# Altium PCB usb_keyboard.PcbDoc (part 2 of 2)
Units mm, origin at the board's own origin, x right, y up, seen from the top; angles counter-clockwise.
Board outline 347.73 x 123.82 mm, 2 copper layers (Top Layer, Bottom Layer), stack 1.579 mm thick; 145 components, 121 nets, 652 pads, 195 vias.
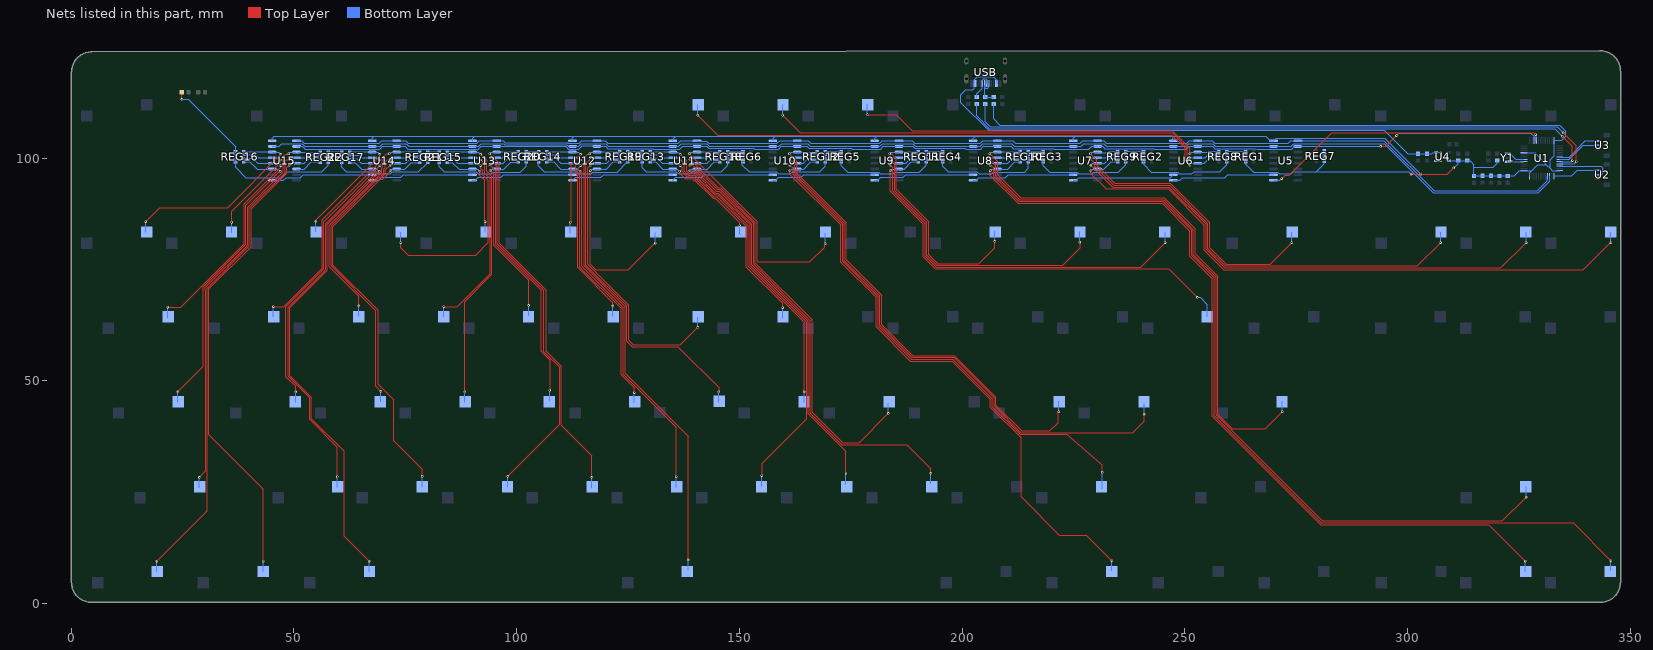
[diagram p2: the nets of this part, all layers, seen from the top]

## Via types
v1: diameter 0.559, hole 0.254, Top Layer to Bottom Layer, tented both sides, 195 vias

## Nets (pads, with @x,y where several pads share a name; then routed paths per layer and width w, separated by ;. In a path a pad name is that pad's centre, name@x,y a point inside that pad or via, vN(x,y) a via of type N, cw(c..) or ccw(c..) an arc to the next point about the centre after c; other vN are vias at no path point) (continued)
NetREG8_6: F5.2 REG8.6 U6.5 | length 125.9
  Top Layer w0.254: v1(140.684,109.605) 145.129,105.16 247.104,105.16 250.107,102.156 250.107,99.495 v1(251.174,98.429)
  Bottom Layer w0.254: v1(140.684,109.605) F5.2@140.684,111.946 ; v1(251.174,98.429) 251.555,98.81 U6.5@252.796,98.81 ; U6.5@252.923,98.81 254.349,98.81 255.473,99.934 REG8.6@257.596,99.934
NetREG8_7: F6.2 REG8.7 U6.4 | length 105.8
  Top Layer w0.254: v1(159.734,109.605) 163.671,105.668 247.17,105.668 250.615,102.223 250.615,100.257 v1(251.174,99.699)
  Bottom Layer w0.254: v1(159.734,109.605) F6.2@159.734,111.946 ; v1(251.174,99.699) 251.555,100.08 U6.4@252.796,100.08 ; U6.4@252.923,100.08 254.603,100.08 255.257,100.734 REG8.7@257.596,100.734
NetREG8_8: F7.2 REG8.8 U6.3 | length 85.6
  Top Layer w0.254: v1(178.784,109.732) 185.242,109.732 188.798,106.176 247.237,106.176 251.174,102.239 v1(251.174,100.969)
  Bottom Layer w0.254: v1(178.784,109.732) F7.2@178.784,112.073 ; v1@251.175,100.969 251.556,101.35 U6.3@252.669,101.35 ; U6.3@252.989,101.283 U6.3@252.923,101.35 255.238,101.35 255.422,101.534 REG8.8@257.596,101.534
NetREG9_5: PgUp.2 REG9.5 U7.6 | length 141.3
  Top Layer w0.254: v1(228.949,97.159) 228.949,96.524 232.373,93.1 246.255,93.1 254.4,84.955 254.4,79.367 258.782,74.984 339.49,74.984 345.477,80.971 345.521,80.971 345.662,81.112 v1@345.662,81.157
  Bottom Layer w0.254: v1(228.949,97.159) 229.33,97.54 U7.6@230.444,97.54 231.87,97.54 233.464,99.134 REG9.5@234.945,99.134 ; v1(345.662,81.03) PgUp.2@345.662,83.371
NetREG9_6: Home.2 REG9.6 U7.5 | length 121.8
  Top Layer w0.254: v1(228.949,98.429) 233.872,93.506 246.423,93.506 254.806,85.123 254.806,79.535 258.95,75.391 320.973,75.391 v1(326.612,81.03)
  Bottom Layer w0.254: v1(228.949,98.429) 229.33,98.81 U7.5@230.444,98.81 231.997,98.81 233.121,99.934 REG9.6@234.945,99.934 ; v1(326.612,81.03) Home.2@326.612,83.371
NetREG9_7: Ins.2 REG9.7 U7.4 | length 103
  Top Layer w0.254: v1(228.949,99.699) 229.813,98.835 229.813,98.2 234.1,93.912 246.592,93.912 255.213,85.291 255.213,79.703 259.119,75.797 302.203,75.797 v1(307.435,81.03)
  Bottom Layer w0.254: v1(228.949,99.699) 229.33,100.08 U7.4@230.444,100.08 232.251,100.08 232.905,100.734 REG9.7@234.945,100.734 ; v1(307.435,81.03) Ins.2@307.435,83.371
NetREG9_8: Backspace.2 REG9.8 U7.3 | length 70.4
  Top Layer w0.254: v1(228.822,100.969) 230.219,99.572 230.219,98.429 234.329,94.319 246.76,94.319 255.619,85.46 255.619,79.872 259.287,76.204 269.208,76.204 v1(274.034,81.03)
  Bottom Layer w0.254: v1(228.822,100.969) 229.203,101.35 230.346,101.35 U7.3@230.444,101.35 230.346,101.252 230.346,101.223 232.728,101.223 233.039,101.534 REG9.8@234.945,101.534 ; v1(274.034,81.03) Backspace.2@274.034,83.371
NetREG10_5: REG10.5 U8.6 ↓.2 | length 188.4
  Top Layer w0.254: v1(206.343,97.159) 206.343,96.076 212.571,89.848 244.908,89.848 251.149,83.608 251.149,78.02 256.229,72.94 256.229,41.993 280.489,17.733 318.281,17.733 v1(326.485,9.529)
  Bottom Layer w0.254: v1(206.343,97.159) 206.724,97.54 U8.6@207.965,97.54 210.28,97.54 211.874,99.134 REG10.5@213.074,99.134 ; ↓.2@326.485,7.187 v1(326.485,9.529)
NetREG10_6: REG10.6 U8.5 →.2 | length 208.3
  Top Layer w0.254: v1(206.343,98.429) 206.47,98.429 207.105,97.794 207.105,95.889 212.739,90.255 245.077,90.255 251.555,83.776 251.555,78.188 256.635,73.108 256.635,42.161 280.657,18.139 337.178,18.139 v1(345.662,9.656)
  Bottom Layer w0.254: v1(206.343,98.429) 206.724,98.81 U8.5@207.965,98.81 210.305,98.81 211.429,99.934 REG10.6@213.074,99.934 ; →.2@345.662,7.314 v1(345.662,9.656)
NetREG10_7: REG10.7 U8.4 ↑.2 | length 188.4
  Top Layer w0.254: v1(206.343,99.699) 207.588,98.454 207.588,96.041 212.968,90.661 245.245,90.661 251.961,83.945 251.961,78.357 257.041,73.277 257.041,42.33 280.825,18.546 321.278,18.546 v1(326.612,23.88)
  Bottom Layer w0.254: v1(206.343,99.699) 206.724,100.08 U8.4@207.965,100.08 210.54,100.08 211.194,100.734 REG10.7@213.074,100.734 ; v1(326.612,23.88) ↑.2@326.612,26.221
NetREG10_8: Enter.2 REG10.8 U8.3 | length 125.2
  Top Layer w0.254: v1(206.216,100.969) 207.994,99.191 207.994,96.27 213.196,91.068 245.413,91.068 252.368,84.113 252.368,78.525 257.448,73.445 257.448,42.498 260.699,39.247 268.065,39.247 v1(271.875,43.057)
  Bottom Layer w0.254: v1(206.216,100.969) 206.597,101.35 U8.3@207.838,101.35 ; U8.3@207.965,101.35 208.031,101.416 212.957,101.416 REG10.8@213.074,101.534 ; v1(271.875,43.057) Enter.2@271.875,45.398
NetREG11_5: ]}.2 REG11.5 U9.6 | length 100.5
  Top Layer w0.254: v1(183.864,97.159) 183.864,92.561 191.306,85.119 191.306,77.832 194.027,75.111 246.424,75.111 v1(252.825,68.711)
  Bottom Layer w0.254: v1(183.864,97.159) 184.245,97.54 U9.6@185.867,97.54 187.039,97.54 188.633,99.134 REG11.5@190.203,99.134 ; v1(252.825,68.711) 253.46,68.711 255.073,67.098 ]}.2@255.073,64.36
NetREG11_6: =+.2 REG11.6 U9.5 | length 90.2
  Top Layer w0.254: v1(183.864,98.429) 184.448,97.844 184.448,92.552 191.713,85.287 191.713,78.001 194.195,75.518 240.074,75.518 v1(245.586,81.03)
  Bottom Layer w0.254: v1(183.864,98.429) 184.245,98.81 U9.5@185.867,98.81 187.42,98.81 188.512,99.902 190.171,99.902 REG11.6@190.203,99.934 ; v1(245.586,81.03) =+.2@245.586,83.371
NetREG11_7: -_.2 REG11.7 U9.4 | length 72.1
  Top Layer w0.254: v1(183.864,99.699) 184.855,98.708 184.855,92.72 192.119,85.456 192.119,78.169 194.364,75.924 222.574,75.924 226.536,79.887 v1@226.536,81.284
  Bottom Layer w0.254: v1(183.864,99.699) 184.245,100.08 U9.4@185.486,100.08 ; U9.4@185.867,100.08 187.801,100.08 188.455,100.734 REG11.7@190.203,100.734 ; v1(226.409,81.157) -_.2@226.409,83.498
NetREG11_8: 0).2 REG11.8 U9.3 | length 53.9
  Top Layer w0.254: v1(183.737,100.969) 184.118,100.969 185.261,99.826 185.261,92.993 192.525,85.729 192.525,78.337 194.532,76.331 203.803,76.331 207.359,79.887 v1(207.359,81.284)
  Bottom Layer w0.254: v1(183.737,100.969) 184.118,101.35 U9.3@185.359,101.35 ; U9.3@185.486,101.35 U9.3@185.867,101.35 185.933,101.416 190.086,101.416 REG11.8@190.203,101.534 ; v1(207.359,81.284) 0).2@207.359,83.625
NetREG12_5: REG12.5 U10.6 Win.2@233.61,7.21 | length 135.7
  Top Layer w0.254: v1(161.385,97.159) 161.385,96.41 172.79,85.005 172.79,76.664 180.74,68.714 180.74,62.11 188.414,54.436 197.793,54.436 206.394,45.835 206.394,44.057 213.252,37.199 213.252,23.956 221.837,15.371 227.933,15.371 v1(233.648,9.656)
  Bottom Layer w0.254: v1(161.385,97.159) 161.766,97.54 U10.6@163.007,97.54 164.433,97.54 166.027,99.134 REG12.5@167.459,99.134 ; Win.2@233.648,7.314 v1(233.648,9.656)
NetREG12_6: /?.2 REG12.6 U10.5 | length 119.6
  Top Layer w0.254: v1(161.385,98.429) 162.096,97.717 162.096,96.273 173.196,85.173 173.196,76.832 181.146,68.882 181.146,62.278 188.582,54.842 197.961,54.842 206.8,46.003 206.8,44.225 213.049,37.977 223.505,37.977 231.146,31.345 231.489,31.001 v1(231.489,29.468)
  Bottom Layer w0.254: v1(161.385,98.429) 161.766,98.81 U10.5@163.007,98.81 ; U10.5@163.69,98.81 164.306,98.81 165.43,99.934 REG12.6@167.459,99.934 ; /?.2@231.362,25.856 231.489,25.983 v1(231.489,29.468)
NetREG12_7: "'\".2" REG12.7 U10.4 | length 127.5
  Top Layer w0.254: v1(161.385,99.699) 162.503,98.581 162.503,96.442 173.602,85.342 173.602,77.001 181.553,69.05 181.553,62.446 188.75,55.249 198.129,55.249 207.207,46.171 207.207,44.394 213.217,38.383 223.673,38.383 223.732,38.332 238.322,38.332 240.887,40.898 v1(240.887,42.549)
  Bottom Layer w0.254: v1(161.385,99.699) 161.766,100.08 U10.4@163.007,100.08 164.56,100.08 165.214,100.734 REG12.7@167.459,100.734 ; v1(240.887,42.549) 240.887,44.89
NetREG12_8: ;:.2 REG12.8 U10.3 | length 109.1
  Top Layer w0.254: v1(161.258,100.969) 162.909,99.318 162.909,96.61 174.009,85.51 174.009,77.169 181.959,69.219 181.959,62.615 188.919,55.655 198.298,55.655 207.613,46.34 207.613,44.562 213.385,38.789 219.729,38.789 221.583,40.644 v1@221.583,42.93
  Bottom Layer w0.254: v1(161.258,100.969) 161.639,101.35 U10.3@162.88,101.35 ; U10.3@163.007,101.35 167.186,101.35 167.227,101.391 REG12.8@167.227,101.604 ; v1(221.71,43.057) 221.71,45.398
NetREG13_5: N.2 REG13.5 U11.14 | length 98.8
  Top Layer w0.254: v1(136.747,100.842) 138.207,99.381 138.207,97.067 138.675,96.6 140.214,96.6 144.659,92.155 145.294,92.155 152.419,85.03 152.419,75.886 165.119,63.186 165.119,41.456 155.162,31.5 155.162,28.706 v1@155.035,28.579
  Bottom Layer w0.254: REG13.5@130.027,101.534 130.145,101.416 134.521,101.416 134.588,101.35 U11.14@135.056,101.35 136.239,101.35 v1(136.747,100.842) ; N.2@155.035,26.364 v1(155.035,28.706)
NetREG13_6: J.2 REG13.6 U11.13 | length 74.4
  Top Layer w0.254: v1(136.747,99.572) 137.636,98.683 137.636,97.064 138.506,96.193 140.046,96.193 144.491,91.748 145.126,91.748 152.012,84.862 152.012,75.718 164.56,63.17 v1(164.56,47.502)
  Bottom Layer w0.254: REG13.6@130.027,100.734 131.867,100.734 132.521,100.08 U11.13@135.056,100.08 136.239,100.08 v1(136.747,99.572) ; J.2@164.56,45.16 v1(164.56,47.502)
NetREG13_7: REG13.7 U11.12 U.2 | length 52.4
  Top Layer w0.254: v1(136.747,98.302) 137.23,97.819 137.23,96.895 138.338,95.787 139.836,95.787 144.281,91.342 144.957,91.342 151.606,84.693 151.606,75.549 159.734,67.421 v1(159.734,66.425)
  Bottom Layer w0.254: REG13.7@130.027,99.934 131.632,99.934 132.756,98.81 U11.12@135.056,98.81 136.239,98.81 v1(136.747,98.302) ; U.2@159.734,64.083 v1(159.734,66.425)
NetREG13_8: 7&.2 REG13.8 U11.11 | length 28.6
  Top Layer w0.254: v1(136.62,97.032) 136.678,96.973 136.678,96.614 137.912,95.381 139.668,95.381 144.113,90.936 144.655,90.936 150.082,85.508 150.082,84.967 v1(150.082,84.84)
  Bottom Layer w0.254: REG13.8@130.027,99.134 131.216,99.134 132.81,97.54 U11.11@135.056,97.54 136.112,97.54 v1(136.62,97.032) ; v1(150.082,84.84) 150.082,83.006 7&.2@150.209,82.879
NetREG14_5: 5%.2 REG14.5 U12.14 | length 26.2
  Top Layer w0.254: v1@112.109,85.729 112.154,85.729 112.167,85.742 112.167,85.787 112.236,85.856 112.236,98.683 v1(114.395,100.842)
  Bottom Layer w0.254: REG14.5@106.786,101.534 106.903,101.416 112.511,101.416 U12.14@112.577,101.35 ; 5%.2@112.109,83.26 v1(112.109,85.602) ; U12.14@112.704,101.35 113.887,101.35 v1(114.395,100.842)
NetREG14_6: REG14.6 T.2 U12.13 | length 47.1
  Top Layer w0.254: v1(114.395,99.572) 113.303,98.479 113.303,96.632 113.76,96.175 113.76,75.442 121.634,67.568 v1(121.634,66.806) v1@121.634,66.679
  Bottom Layer w0.254: REG14.6@106.786,100.734 109.007,100.734 109.661,100.08 U12.13@112.577,100.08 ; U12.13@112.704,100.08 113.887,100.08 v1(114.395,99.572) ; T.2@121.634,64.464 v1(121.634,66.806)
NetREG14_7: G.2 REG14.7 U12.12 | length 67
  Top Layer w0.254: v1(114.395,98.302) 113.709,97.616 113.709,96.8 114.243,96.267 114.243,75.534 123.539,66.237 123.539,51.35 126.46,48.429 v1(126.46,47.375) v1@126.46,47.248
  Bottom Layer w0.254: REG14.7@106.902,99.826 107.01,99.934 108.772,99.934 109.896,98.81 U12.12@112.577,98.81 ; U12.12@112.704,98.81 113.887,98.81 v1(114.395,98.302) ; G.2@126.46,45.033 v1(126.46,47.375)
NetREG14_8: B.2 REG14.8 U12.11 | length 88.2
  Top Layer w0.254: v1(114.268,97.032) 114.649,96.651 114.649,75.702 123.945,66.406 123.945,51.518 135.858,39.606 v1(135.858,28.452)
  Bottom Layer w0.254: REG14.8@106.786,99.134 108.356,99.134 109.95,97.54 U12.11@112.577,97.54 113.76,97.54 v1(114.268,97.032) ; B.2@135.858,26.11 v1(135.858,28.452)
NetREG15_5: D.2 REG15.5 U13.14 | length 66.5
  Top Layer w0.254: v1(88.36,47.502) 88.36,67.755 94.481,73.876 94.481,95.863 93.279,97.066 93.279,99.479 v1(91.916,100.842)
  Bottom Layer w0.254: REG15.5@84.434,101.407 84.463,101.378 89.475,101.378 U13.14@89.63,101.223 ; D.2@88.36,45.16 v1(88.36,47.502) ; U13.14@90.225,101.35 91.408,101.35 v1(91.916,100.842)
NetREG15_6: E.2 REG15.6 U13.13 | length 49.8
  Top Layer w0.254: v1@83.534,66.679 v1(83.661,66.679) 86.709,66.679 94.075,74.045 94.075,95.381 92.872,96.583 92.872,98.615 v1(91.916,99.572)
  Bottom Layer w0.254: E.2@83.661,64.337 v1(83.661,66.679) ; REG15.6@84.434,100.607 86.563,100.607 87.09,100.08 U13.13@89.757,100.08 ; U13.13@90.225,100.08 91.408,100.08 v1(91.916,99.572)
NetREG15_7: 3#.2 REG15.7 U13.12 | length 50.8
  Top Layer w0.254: v1@74.009,80.903 74.009,79.887 75.66,78.236 90.801,78.236 93.669,81.103 93.669,95.025 92.466,96.228 92.466,97.145 91.97,97.641 91.97,98.248 v1(91.916,98.302)
  Bottom Layer w0.254: v1(74.009,81.03) 3#.2@74.009,83.371 ; REG15.7@84.434,99.807 85.839,99.807 86.836,98.81 U13.12@90.098,98.81 ; U13.12@90.225,98.81 91.408,98.81 v1(91.916,98.302)
NetREG15_8: 4$.2 REG15.8 U13.11 | length 22.2
  Top Layer w0.254: v1(91.789,97.032) 91.789,96.016 92.83,94.974 92.83,85.957 92.874,85.914 92.874,85.869 92.888,85.856 v1@92.932,85.856
  Bottom Layer w0.254: REG15.8@84.434,99.007 85.623,99.007 87.09,97.54 U13.11@90.098,97.54 91.281,97.54 v1(91.789,97.032) ; 4$.2@92.932,83.387 v1(92.932,85.729)
NetREG16_5: `~.2 REG16.5 U15.14 | length 47.4
  Top Layer w0.254: v1(16.732,85.729) 19.907,88.904 35.147,88.904 v1(47.085,100.842)
  Bottom Layer w0.254: `~.2@16.732,83.387 v1(16.732,85.729) ; REG16.5@38.703,101.604 38.89,101.416 45.074,101.416 U15.14@45.14,101.35 ; U15.14@45.394,101.35 46.577,101.35 v1(47.085,100.842)
NetREG16_6: 1!.2 REG16.6 U15.13 | length 29.5
  Top Layer w0.254: v1(36.036,85.602) 36.036,88.043 47.085,99.092 v1(47.085,99.572)
  Bottom Layer w0.254: 1!.2@36.036,83.26 v1(36.036,85.602) ; REG16.6@38.703,100.715 41.37,100.715 42.005,100.08 U15.13@45.14,100.08 ; U15.13@45.394,100.08 46.577,100.08 v1(47.085,99.572)
NetREG16_7: REG16.7 Tab.2 U15.12 | length 55.1
  Top Layer w0.254: v1(21.685,66.552) 24.593,66.552 38.83,80.789 38.83,89.694 47.085,97.949 v1(47.085,98.302)
  Bottom Layer w0.254: Tab.2@21.685,64.21 v1(21.685,66.552) ; REG16.7@38.714,99.934 40.754,99.934 41.878,98.81 U15.12@45.14,98.81 ; U15.12@45.394,98.81 46.577,98.81 v1(47.085,98.302)
NetREG16_8: Caps.2 REG16.8 U15.11 | length 70.4
  Top Layer w0.254: v1(23.971,47.502) 29.686,53.217 29.686,71.07 39.236,80.62 39.236,89.383 46.885,97.032 v1(46.958,97.032)
  Bottom Layer w0.254: Caps.2@23.971,45.16 v1(23.971,47.502) ; REG16.8@38.714,99.134 40.157,99.134 41.751,97.54 U15.11@45.14,97.54 ; U15.11@45.267,97.54 46.45,97.54 v1(46.958,97.032)
NetREG17_5: 2@.2 REG17.5 U14.14 | length 30.2
  Top Layer w0.254: v1(54.959,85.856) 54.959,86.011 69.31,100.362 v1(69.31,100.842)
  Bottom Layer w0.254: 54.959,83.514 v1(54.959,85.856) ; REG17.5@62.59,101.407 62.619,101.378 67.591,101.378 U14.14@67.619,101.35 68.802,101.35 v1(69.31,100.842)
NetREG17_6: Q.2 REG17.6 U14.13 | length 53.6
  Top Layer w0.254: v1(45.434,66.679) 47.72,66.679 56.331,75.289 56.331,86.113 69.31,99.092 v1(69.31,99.572)
  Bottom Layer w0.254: Q.2@45.434,64.337 v1(45.434,66.679) ; REG17.6@62.59,100.607 64.592,100.607 65.119,100.08 U14.13@67.619,100.08 68.802,100.08 v1(69.31,99.572)
NetREG17_7: A.2 REG17.7 U14.12 | length 70.1
  Top Layer w0.254: v1(50.387,47.502) 50.387,48.765 48.228,50.924 48.228,66.612 56.737,75.121 56.737,85.729 v1(69.31,98.302)
  Bottom Layer w0.254: A.2@50.387,45.16 v1(50.387,47.502) ; REG17.7@62.59,99.807 64.122,99.807 65.119,98.81 U14.12@67.619,98.81 68.802,98.81 v1(69.31,98.302)
NetREG17_8: REG17.8 U14.11 Z.2 | length 91.6
  Top Layer w0.254: v1(59.785,28.452) 59.785,35.116 53.562,41.339 53.562,46.165 48.711,51.016 48.711,66.52 57.143,74.953 57.143,85.308 68.715,96.879 69.031,96.879 v1(69.183,97.032)
  Bottom Layer w0.254: Z.2@59.785,26.11 v1(59.785,28.452) ; REG17.8@62.59,99.007 63.779,99.007 65.246,97.54 U14.11@67.619,97.54 68.675,97.54 v1(69.183,97.032)
NetREG18_5: M.2 REG18.5 U11.6 | length 93.6
  Top Layer w0.254: v1(138.906,97.159) 140.23,97.159 144.827,92.561 145.462,92.561 152.825,85.198 152.825,76.054 165.525,63.354 165.525,42.599 173.958,34.167 v1(173.958,29.087)
  Bottom Layer w0.254: v1(138.906,97.159) 139.287,97.54 U11.6@140.528,97.54 142.843,97.54 144.437,99.134 REG18.5@145.626,99.134 ; M.2@173.958,26.745 v1(173.958,29.087)
NetREG18_6: ,<.2 REG18.6 U11.5 | length 110.6
  Top Layer w0.254: v1(138.906,98.429) 139.601,98.429 145.062,92.968 145.631,92.968 153.232,85.367 153.232,76.223 165.932,63.523 165.932,42.768 173.009,35.691 187.547,35.691 193.008,30.23 v1(193.008,29.214)
  Bottom Layer w0.254: v1(138.906,98.429) 139.287,98.81 U11.5@140.528,98.81 142.862,98.81 143.986,99.934 REG18.6@145.626,99.934 ; 193.008,26.872 v1(193.008,29.214)
NetREG18_7: K.2 REG18.7 U11.4 | length 100.7
  Top Layer w0.254: v1(138.906,99.699) 145.231,93.374 145.799,93.374 153.638,85.535 153.638,76.391 166.338,63.691 166.338,42.936 173.177,36.097 176.904,36.097 v1(183.483,42.676)
  Bottom Layer w0.254: v1(138.906,99.699) 139.287,100.08 U11.4@140.528,100.08 143.097,100.08 143.751,100.734 REG18.7@145.626,100.734 ; v1(183.483,42.676) K.2@183.483,45.017
NetREG18_8: 8*.2 REG18.8 U11.3 | length 57.2
  Top Layer w0.254: v1(138.779,100.969) 154.044,85.703 154.044,76.712 165.83,76.712 169.132,80.014 v1@169.132,80.903
  Bottom Layer w0.254: v1(138.779,100.969) 139.16,101.35 U11.3@140.401,101.35 ; U11.3@140.528,101.35 140.594,101.416 145.509,101.416 REG18.8@145.626,101.534 ; v1(169.259,80.776) 8*.2@169.259,83.117
NetREG19_5: 6^.2 REG19.5 U12.6 | length 48.3
  Top Layer w0.254: v1(116.554,97.159) 116.554,76.15 117.77,74.934 125.063,74.934 131.032,80.903 v1(131.159,80.903)
  Bottom Layer w0.254: v1(116.554,97.159) 116.935,97.54 U12.6@118.049,97.54 120.11,97.54 121.704,99.134 REG19.5@123.147,99.134 ; v1(131.159,80.903) 6^.2@131.159,83.244
NetREG19_6: REG19.6 U12.5 Y.2 | length 70.5
  Top Layer w0.254: v1(116.554,98.429) 115.995,97.87 115.995,76.134 125.165,66.965 125.165,59.084 126.181,58.068 136.772,58.068 v1(140.684,61.98)
  Bottom Layer w0.254: v1(116.554,98.429) 116.935,98.81 U12.5@118.049,98.81 120.237,98.81 121.361,99.934 REG19.6@123.147,99.934 ; v1(140.684,61.98) Y.2@140.684,64.321
NetREG19_7: H.2 REG19.7 U12.4 | length 80.2
  Top Layer w0.254: v1(116.554,99.699) 115.589,98.733 115.589,75.966 124.758,66.796 124.758,58.916 126.012,57.662 136.239,57.662 145.51,48.391 v1@145.51,47.629
  Bottom Layer w0.254: v1(116.554,99.699) 116.935,100.08 U12.4@118.049,100.08 U12.4@118.176,100.08 ; U12.4@118.205,99.953 118.332,100.08 120.237,100.08 120.891,100.734 REG19.7@123.147,100.734 ; H.2@145.383,45.16 v1(145.383,47.502)
NetREG19_8: REG19.8 SW64.2 U12.3 | length 111.6
  Top Layer w0.254: v1(116.427,100.969) 116.373,100.915 115.992,100.915 115.182,100.105 115.182,75.797 124.352,66.628 124.352,51.687 138.525,37.513 v1(138.525,9.783)
  Bottom Layer w0.254: v1(116.427,100.969) 116.808,101.35 U12.3@118.049,101.35 118.115,101.416 123.03,101.416 REG19.8@123.147,101.534 ; U12.3@117.951,101.223 U12.3@118.7,101.223 ; SW64.2@138.525,7.441 v1(138.525,9.783)
NetREG20_5: R.2 REG20.5 U13.6 | length 43.2
  Top Layer w0.254: v1(94.075,97.159) 94.888,96.346 94.888,80.398 102.711,72.574 v1@102.711,67.06
  Bottom Layer w0.254: v1(94.075,97.159) 94.456,97.54 U13.6@95.57,97.54 97.123,97.54 98.698,99.115 REG20.5@100.403,99.115 ; R.2@102.711,64.591 v1(102.711,66.933)
NetREG20_6: F.2 REG20.6 U13.5 | length 65.7
  Top Layer w0.254: v1(93.948,98.556) 95.294,97.209 95.294,80.566 105.505,70.355 105.505,56.639 107.537,54.607 v1@107.537,47.883
  Bottom Layer w0.254: v1(93.948,98.556) 94.031,98.556 94.218,98.743 95.503,98.743 U13.5@95.57,98.81 96.996,98.81 98.101,99.915 REG20.6@100.403,99.915 ; F.2@107.41,45.541 v1(107.41,47.883)
NetREG20_7: C.2 REG20.7 U13.4 | length 91.6
  Top Layer w0.254: v1(94.075,99.699) 95.701,98.073 95.701,80.734 106.14,70.295 106.14,56.579 109.671,53.048 109.671,40.237 v1(98.012,28.579) v1@98.012,28.452
  Bottom Layer w0.254: v1(94.075,99.699) 94.456,100.08 U13.4@95.57,100.08 96.869,100.08 97.504,100.715 REG20.7@100.403,100.715 ; C.2@98.012,26.237 v1(98.012,28.579)
NetREG20_8: REG20.8 U13.3 V.2 | length 91.4
  Top Layer w0.254: v1(93.948,100.969) 96.107,98.81 96.107,80.903 106.648,70.362 106.648,56.646 110.077,53.217 110.077,40.009 116.935,33.151 v1(116.935,28.325)
  Bottom Layer w0.254: v1(93.948,100.969) 94.329,101.35 U13.3@95.57,101.35 ; U13.3@95.345,101.477 95.405,101.416 100.305,101.416 REG20.8@100.403,101.515 ; V.2@116.935,25.983 v1(116.935,28.325)
NetREG21_5: REG21.5 U14.6 X.2 | length 92.3
  Top Layer w0.254: v1(71.596,97.159) 71.596,97.076 70.961,96.441 70.961,96.295 69.92,95.254 69.388,95.254 58.769,84.635 58.769,75.95 68.929,65.79 68.929,49.28 72.409,45.8 72.409,36.529 78.835,30.103 v1(78.835,28.579)
  Bottom Layer w0.254: v1(71.596,97.159) 71.977,97.54 U14.6@73.091,97.54 74.898,97.54 76.365,99.007 REG21.5@78.316,99.007 ; X.2@78.835,26.237 v1(78.835,28.579)
NetREG21_6: REG21.6 S.2 U14.5 | length 70.9
  Top Layer w0.254: v1(69.564,47.629) 68.421,48.772 68.421,65.723 58.363,75.781 58.363,84.803 69.22,95.66 69.751,95.66 70.555,96.464 70.555,97.387 v1(71.596,98.429)
  Bottom Layer w0.254: S.2@69.564,45.287 v1(69.564,47.629) ; v1(71.596,98.429) 71.977,98.81 U14.5@73.091,98.81 75.152,98.81 76.149,99.807 REG21.6@78.316,99.807
NetREG21_7: REG21.7 U14.4 W.2 | length 51.4
  Top Layer w0.254: v1(64.611,66.806) 64.611,68.958 57.956,75.613 57.956,84.971 69.052,96.066 69.583,96.066 70.148,96.632 70.148,97.556 70.478,97.886 70.478,99.216 70.936,99.673 71.571,99.673 v1(71.596,99.699)
  Bottom Layer w0.254: W.2@64.611,64.464 v1(64.611,66.806) ; v1(71.596,99.699) 71.977,100.08 U14.4@73.091,100.08 75.406,100.08 75.933,100.607 REG21.7@78.316,100.607
NetREG21_8: Alt.2@66.986,7.21 REG21.8 U14.3 | length 118.1
  Top Layer w0.254: v1(66.897,9.529) 61.309,15.117 61.309,34.167 53.968,41.507 53.968,46.333 49.117,51.185 49.117,66.351 57.55,74.784 57.55,85.14 68.883,96.473 69.415,96.473 69.742,96.8 69.742,97.724 69.869,97.851 69.869,100.003 70.834,100.969 v1(71.469,100.969)
  Bottom Layer w0.254: Alt.2@66.897,7.187 v1(66.897,9.529) ; v1(71.469,100.969) 71.85,101.35 U14.3@73.091,101.35 73.119,101.378 78.288,101.378 REG21.8@78.316,101.407
NetREG22_5: REG22.5 U15.6 | length 6
  Bottom Layer w0.254: U15.6@50.612,97.54 52.292,97.54 53.886,99.134 REG22.5@55.964,99.134
NetREG22_6: REG22.6 U15.5 Win.2@43.11,7.21 | length 111.5
  Top Layer w0.254: v1(43.148,9.529) 43.148,25.658 30.956,37.85 30.956,70.616 40.481,80.141 40.481,88.615 48.431,96.565 48.431,97.39 48.457,97.416 48.457,97.921 48.965,98.429 v1(48.99,98.429)
  Bottom Layer w0.254: Win.2@43.148,7.187 v1(43.148,9.529) ; v1(48.99,98.429) 49.371,98.81 U15.5@50.612,98.81 52.292,98.81 53.289,99.807 REG22.6@55.837,99.807 ; REG22.6@55.964,99.807 REG22.6@55.837,99.807 ; REG22.6@55.964,99.934 REG22.6@55.837,99.807
NetREG22_7: Ctrl.2@19.361,7.21 REG22.7 U15.4 | length 112.6
  Top Layer w0.254: v1(19.272,9.529) 30.55,20.806 30.55,70.784 40.049,80.284 40.049,88.758 48.025,96.733 48.025,97.876 48.05,97.902 48.05,99.318 48.373,99.64 48.932,99.64 v1(48.99,99.699)
  Bottom Layer w0.254: Ctrl.2@19.272,7.187 v1(19.272,9.529) ; v1(48.99,99.699) 49.371,100.08 U15.4@50.612,100.08 52.8,100.08 53.454,100.734 REG22.7@55.964,100.734
NetREG22_8: REG22.8 Shift.2@28.886,26.26 U15.3 | length 90.6
  Top Layer w0.254: v1(28.797,28.325) 30.143,29.671 30.143,70.311 30.143,70.952 39.643,80.452 39.643,88.926 47.618,96.902 47.618,98.045 47.644,98.07 47.644,100.384 48.174,100.915 48.809,100.915 v1(48.863,100.969)
  Bottom Layer w0.254: Shift.2@28.797,25.983 v1(28.797,28.325) ; v1(48.863,100.969) 49.244,101.35 U15.3@50.485,101.35 ; U15.3@50.895,101.35 55.78,101.35 REG22.8@55.964,101.534
NetU5_10: U5.10 U6.9 | length 23
  Bottom Layer w0.254: U6.9@247.451,95 248.888,95 249.523,95.635 258.987,95.635 259.622,96.27 U5.10@269.93,96.27
NetU6_10: U6.10 U7.9 | length 23
  Bottom Layer w0.254: U7.9@224.972,95 225.657,95 226.237,95.58 246.762,95.58 U6.10@247.451,96.27
NetU7_10: U7.10 U8.9 | length 23
  Bottom Layer w0.254: U8.9@202.493,95 203.178,95 203.758,95.58 209.717,95.58 210.407,96.27 U7.10@224.972,96.27
NetU8_10: U8.10 U9.9 | length 22.6
  Bottom Layer w0.254: U9.9@180.395,95 181.08,95 181.748,95.668 186.77,95.668 187.372,96.27 U8.10@202.493,96.27
NetU9_10: U9.10 U10.9 | length 23.4
  Bottom Layer w0.254: U10.9@157.535,95 158.22,95 158.888,95.668 163.91,95.668 164.512,96.27 U9.10@180.395,96.27
NetU11_10: U11.10 U12.9 | length 23
  Bottom Layer w0.254: U12.9@112.577,95 113.246,95.668 118.952,95.668 119.554,96.27 U11.10@135.056,96.27
NetU12_10: U12.10 U13.9 | length 23
  Bottom Layer w0.254: U13.9@90.098,95 90.783,95 91.451,95.668 96.473,95.668 97.075,96.27 U12.10@112.577,96.27
NetU13_10: U13.10 U14.9 | length 23
  Bottom Layer w0.254: U14.9@67.619,95 69.056,95 69.746,95.689 74.016,95.689 74.596,96.27 U13.10@90.098,96.27
NetU14_10: U14.10 U15.9 | length 23
  Bottom Layer w0.254: U15.9@45.14,95 47.678,95 48.313,95.635 51.482,95.635 52.117,96.27 U14.10@67.619,96.27
Q7: U10.10 U11.9 | length 23
  Bottom Layer w0.254: U11.9@135.056,95 135.725,95.668 141.431,95.668 142.033,96.27 U10.10@157.535,96.27
SCAN_CE: U1.39 U5.15 U6.15 U7.15 U8.15 U9.15 U10.15 U11.15 U12.15 U13.15 U14.15 U15.15 | length 298.2
  Bottom Layer w0.254: U15.15@45.14,102.62 46.704,102.62 47.284,103.2 51.905,103.2 52.486,102.62 U14.15@67.619,102.62 ; U14.15@67.786,102.62 69.365,102.62 69.945,103.2 75.207,103.2 75.787,102.62 U13.15@90.098,102.62 91.468,102.62 92.049,103.2 97.166,103.2 97.34,103.026 111.24,103.026 111.647,102.62 U12.15@112.577,102.62 113.954,102.62 114.534,103.2 119.983,103.2 120.563,102.62 U11.15@135.056,102.62 136.366,102.62 136.946,103.2 142.71,103.2 143.291,102.62 U10.15@157.535,102.62 158.845,102.62 159.48,103.255 165.322,103.255 165.957,102.62 U9.15@180.395,102.62 181.578,102.62 182.158,103.2 188.938,103.2 189.519,102.62 U8.15@202.493,102.62 ; U8.15@202.533,102.62 204.112,102.62 204.692,103.2 211.166,103.2 211.747,102.62 U7.15@224.972,102.62 ; U7.15@225.139,102.62 226.718,102.62 227.298,103.2 231.798,103.2 232.378,102.62 U6.15@247.451,102.62 ; U6.15@247.491,102.62 250.34,102.62 250.92,103.2 256.248,103.2 256.829,102.62 U5.15@269.93,102.62 273.896,102.62 274.477,103.2 294.818,103.2 305.812,92.206 329.346,92.206 331.916,94.776 331.916,95.926 U1.39@331.918,95.928
SCAN_PL: U1.40 U5.1 U6.1 U7.1 U8.1 U9.1 U10.1 U11.1 U12.1 U13.1 U14.1 U15.1 | length 291.8
  Bottom Layer w0.254: U15.1@50.612,103.89 51.791,103.89 52.371,103.309 52.927,103.309 69.18,103.309 69.76,103.89 U14.1@73.091,103.89 75.152,103.89 75.732,103.309 91.023,103.309 91.604,103.89 U13.1@95.57,103.89 97.051,103.89 97.508,103.432 111.409,103.432 111.532,103.309 114.069,103.309 114.649,103.89 U12.1@118.049,103.89 119.868,103.89 120.449,103.309 136.294,103.309 136.874,103.89 U11.1@140.528,103.89 140.594,103.823 142.662,103.823 143.176,103.309 158.46,103.309 159.041,103.89 U10.1@163.007,103.89 165.504,103.89 166.084,103.309 181.506,103.309 182.086,103.89 U9.1@185.867,103.89 188.824,103.89 189.404,103.309 204.054,103.309 204.634,103.89 U8.1@207.965,103.89 ; U8.1@208.121,103.89 211.351,103.89 211.931,103.309 226.533,103.309 227.113,103.89 U7.1@230.444,103.89 231.798,103.89 232.378,103.309 250.455,103.309 251.035,103.89 U6.1@252.923,103.89 ; U6.1@253.206,103.89 256.134,103.89 256.714,103.309 273.255,103.309 273.836,103.89 U5.1@275.402,103.89 294.703,103.89 305.981,92.612 329.109,92.612 331.42,94.923 331.42,95.926 U1.40@331.418,95.928
SOC_IN: U1.5 Y1.3 | length 3.6
  Bottom Layer w0.254: Y1.3@322.548,99.191 322.558,99.201 326.141,99.201 U1.5@326.143,99.203
SOC_OUT: U1.6 Y1.1 | length 3.8
  Bottom Layer w0.254: Y1.1@322.932,101.096 324.325,99.703 U1.6@326.143,99.703
SPI1_CLK: U1.15 U5.2 U6.2 U7.2 U8.2 U9.2 U10.2 U11.2 U12.2 U13.2 U14.2 U15.2 | length 284.8
  Top Layer w0.254: v1(293.973,102.62) 295.116,102.62 v1(297.529,105.033)
  Bottom Layer w0.254: U15.2@50.612,102.62 51.911,102.62 52.519,102.011 69.337,102.011 69.945,102.62 U14.2@73.091,102.62 75.025,102.62 75.634,102.011 90.942,102.011 91.083,101.87 91.294,101.87 92.043,102.62 U13.2@95.57,102.62 111.072,102.62 111.653,102.039 113.948,102.039 114.703,102.794 117.19,102.794 117.364,102.62 U12.2@118.049,102.62 119.983,102.62 120.464,102.138 130.543,102.138 130.642,102.039 136.675,102.039 137.255,102.62 U11.2@140.528,102.62 142.716,102.62 143.142,102.194 153.229,102.194 153.384,102.039 158.839,102.039 159.42,102.62 U10.2@163.007,102.62 165.195,102.62 165.621,102.194 175.191,102.194 175.401,101.985 181.705,101.985 182.34,102.62 U9.2@185.867,102.62 188.944,102.62 189.37,102.194 200.673,102.194 200.882,101.985 204.184,101.985 204.819,102.62 U8.2@207.965,102.62 ; U8.2@208.248,102.62 211.042,102.62 211.523,102.138 220.597,102.138 220.696,102.039 228.496,102.039 229.076,102.62 U7.2@230.444,102.62 ; U7.2@230.854,102.62 231.616,102.62 232.097,102.138 243.065,102.138 243.193,102.01 250.31,102.01 250.92,102.62 U6.2@252.923,102.62 ; U6.2@252.952,102.62 256.254,102.62 256.735,102.138 266.052,102.138 266.26,101.93 274.022,101.93 274.711,102.62 U5.2@275.402,102.62 v1(293.973,102.62) ; v1(297.529,105.033) 298.037,105.541 327.727,105.541 328.416,104.851 328.416,103.98 U1.15@328.418,103.978
SPI1_MISO: U1.16 U5.9 | length 64.8
  Top Layer w0.254: v1(271.748,95.381) 272.551,96.183 273.468,96.183 282.952,105.668 328.39,105.668 v1(328.771,105.287)
  Bottom Layer w0.254: U5.9@269.93,95 271.367,95 v1(271.748,95.381) ; v1(328.771,105.287) 328.771,105.204 328.918,105.057 U1.16@328.918,103.978
SWCLK: U1.37 U2.1 | length 10.2
  Bottom Layer w0.254: U1.37@332.962,96.016 336.85,96.016 338.104,97.27 U2.1@342.614,97.27
SWDIO: U1.34 U2.2 | length 12.5
  Bottom Layer w0.254: U1.34@334.193,98.203 343.453,98.203 343.884,97.772 343.884,96.524 343.63,96.27 U2.2@342.614,96.27
UART_RX: U1.31 U3.2 | length 9.7
  Bottom Layer w0.254: U1.31@334.232,99.699 336.353,99.699 339.512,102.858 U3.2@342.614,102.858
UART_TX: U1.30 U3.1 | length 9.9
  Bottom Layer w0.254: U1.30@334.232,100.207 336.286,100.207 339.937,103.858 U3.1@342.614,103.858
USB_D+: R7.1 U1.33 | length 146.4
  Top Layer w0.254: v1(334.994,105.668) 337.915,102.747 v1(337.915,99.191)
  Bottom Layer w0.254: R7.1@205.2,112.145 205.2,108.208 206.394,107.014 333.648,107.014 v1(334.994,105.668) ; U1.33@334.193,98.703 337.427,98.703 v1(337.915,99.191)
USB_D-: R2.1 U1.32 | length 145.2
  Top Layer w0.254: v1(334.74,104.906) 337.026,102.62 v1(337.026,99.445)
  Bottom Layer w0.254: R2.1@203.295,112.145 203.295,109.478 206.165,106.607 333.038,106.607 v1(334.74,104.906) ; U1.32@334.193,99.203 336.784,99.203 v1@336.899,99.318
USB_PORT_D+: R4.1 R7.2 USB.A6 USB.B6 | length 6.4
  Bottom Layer w0.254: 205.073,115.828 205.077,115.824 ; USB.A6@205.073,116.336 205.077,116.332 205.077,115.824 ; R7.2@205.2,113.685 205.077,113.808 205.077,115.824 ; R7.2@205.327,113.669 207.089,113.669 R4.1@207.105,113.685 ; USB.B6@206.077,116.737 206.054,116.714 206.054,115.962 205.799,115.707 205.193,115.707 205.077,115.824
USB_PORT_D-: R2.2 USB.A7 USB.B7 | length 5.9
  Bottom Layer w0.254: R2.2@203.295,113.685 203.295,114.431 204.565,115.701 USB.B7@204.565,116.463 ; USB.B7@204.565,116.844 204.6,116.879 204.6,117.511 204.855,117.766 205.299,117.766 205.554,117.511 205.554,116.76 USB.A7@205.577,116.737
VBUS: C9.2 C10.2 U4.1 U4.3 USB.A4 USB.A9 USB.B4 USB.B9 | length 128.9
  Top Layer w0.254: v1(307.435,99.445) v1(307.435,101.223)
  Bottom Layer w0.254: USB.A9@207.877,116.737 207.877,117.337 206.973,118.241 203.422,118.241 202.777,117.596 USB.A4@202.777,116.737 202.754,116.714 202.754,115.668 202.406,115.32 200.882,115.32 199.739,114.177 199.739,112.446 205.984,106.201 294.807,106.201 300.04,100.969 C10.2@302.355,100.969 C9.2@304.387,100.969 305.403,100.969 305.657,101.223 U4.3@306.292,101.223 ; U4.1@306.443,99.384 306.474,99.414 307.405,99.414 v1(307.435,99.445) ; U4.3@306.443,101.284 307.374,101.284 v1(307.435,101.223)
VCC_3V3: C1.2 C2.2 C3.2 C4.2 C5.2 C6.2 C7.2 D1.K R4.2 R6.2 REG1.1 REG1.2 REG1.3 REG1.4 REG2.1 REG2.2 REG2.3 REG2.4 REG3.1 REG3.2 REG3.3 REG3.4 REG4.1 REG4.2 REG4.3 REG4.4 REG5.1 REG5.2 REG5.3 REG5.4 REG6.1 REG6.2 REG6.3 REG6.4 REG7.1 REG7.2 REG7.3 REG7.4 REG8.1 REG8.2 REG8.3 REG8.4 REG9.1 REG9.2 REG9.3 REG9.4 REG10.1 REG10.2 REG10.3 REG10.4 REG11.1 REG11.2 REG11.3 REG11.4 REG12.1 REG12.2 REG12.3 REG12.4 REG13.1 REG13.2 REG13.3 REG13.4 REG14.1 REG14.2 REG14.3 REG14.4 REG15.1 REG15.2 REG15.3 REG15.4 REG16.1 REG16.2 REG16.3 REG16.4 REG17.1 REG17.2 REG17.3 REG17.4 REG18.1 REG18.2 REG18.3 REG18.4 REG19.1 REG19.2 REG19.3 REG19.4 REG20.1 REG20.2 REG20.3 REG20.4 REG21.1 REG21.2 REG21.3 REG21.4 REG22.1 REG22.2 REG22.3 REG22.4 U1.1 U1.9 U1.24 U1.36 U1.48 U4.5 U5.16 U6.16 U7.16 U8.16 U9.16 U10.16 U11.16 U12.16 U13.16 U14.16 U15.16 | length 845.9
  Top Layer w0.254: v1(24.86,113.161) D1.K@24.86,114.812 ; v1(300.831,96.397) v1(302.99,96.397) 308.959,96.397 v1(310.356,97.794)
  Bottom Layer w0.254: v1(24.86,113.161) 26.257,113.161 36.914,102.504 REG16.4@36.914,101.534 REG16.3@36.914,100.734 REG16.2@36.914,99.934 36.914,99.18 REG16.1@36.798,99.064 ; REG16.1@36.914,99.134 36.914,97.932 39.211,95.635 47.212,95.635 48.482,96.905 56.229,96.905 57.764,98.44 REG22.4@57.764,99.007 REG22.3@57.764,99.807 REG22.2@57.764,100.607 REG22.1@57.764,101.407 57.764,101.534 57.827,101.47 60.727,101.47 REG17.4@60.79,101.407 REG17.3@60.79,100.607 REG17.2@60.79,99.807 60.79,99.053 REG17.1@60.674,98.937 ; U15.16@45.14,103.89 45.146,103.89 45.146,104.491 45.561,104.906 68.04,104.906 ; REG17.1@60.79,99.007 60.79,97.932 61.762,96.959 68.435,96.959 68.922,96.473 71.701,96.473 72.132,96.905 77.939,96.905 80.041,99.007 REG21.4@80.116,99.007 ; U14.16@67.619,103.89 67.659,103.929 67.659,104.525 68.04,104.906 ; REG21.4@80.105,99.064 80.116,99.075 REG21.3@80.116,99.807 REG21.2@80.116,100.607 REG21.1@80.116,101.407 REG15.4@82.634,101.407 REG15.3@82.634,100.607 REG15.2@82.634,99.807 REG15.1@82.634,99.007 82.634,98.059 83.733,96.959 90.914,96.959 91.401,96.473 94.268,96.473 94.645,96.85 100.878,96.85 102.203,98.175 REG20.4@102.203,99.115 REG20.3@102.203,99.915 REG20.2@102.203,100.715 REG20.1@102.203,101.515 102.213,101.524 104.977,101.524 REG14.4@104.986,101.534 REG14.3@104.986,100.734 REG14.2@104.986,99.934 REG14.1@104.986,99.134 104.87,99.018 104.87,98.302 106.212,96.959 113.393,96.959 113.88,96.473 116.747,96.473 117.124,96.85 122.588,96.85 124.872,99.134 REG19.4@124.947,99.134 ; U13.16@90.098,103.89 90.138,103.929 90.138,104.398 90.646,104.906 ; U12.16@112.577,103.89 112.49,103.977 112.49,104.398 112.998,104.906 ; REG19.4@125.063,99.064 124.947,99.18 REG19.3@124.947,99.934 REG19.2@124.947,100.734 REG19.1@124.947,101.534 REG13.4@128.227,101.534 REG13.3@128.227,100.734 REG13.2@128.227,99.934 REG13.1@128.227,99.134 128.227,97.805 129.072,96.959 135.872,96.959 136.359,96.473 139.011,96.473 139.497,96.959 145.946,96.959 147.426,98.44 REG18.4@147.426,99.134 REG18.3@147.426,99.934 REG18.2@147.426,100.734 REG18.1@147.426,101.534 REG6.4@150.833,101.534 REG6.3@150.833,100.734 REG6.2@150.833,99.934 REG6.1@150.833,99.134 150.717,99.018 150.717,98.429 152.186,96.959 158.351,96.959 158.838,96.473 161.49,96.473 161.976,96.959 168.044,96.959 169.259,98.175 REG12.4@169.259,99.134 REG12.3@169.259,99.934 REG12.2@169.259,100.734 REG12.1@169.259,101.534 172.885,101.534 172.931,101.488 REG5.3@172.931,100.734 REG5.2@172.931,99.934 REG5.1@172.931,99.134 172.931,98.313 174.394,96.85 181.32,96.85 181.647,96.524 184.615,96.524 184.942,96.85 190.413,96.85 192.003,98.44 REG11.4@192.003,99.134 192.003,99.815 REG11.3@191.992,99.826 ; U11.16@135.056,103.89 135.096,103.929 135.096,104.271 135.731,104.906 ; U10.16@157.535,103.89 157.575,103.929 157.575,104.398 158.083,104.906 ; U9.16@180.395,103.89 180.435,103.929 180.435,104.398 180.943,104.906 ; REG11.3@191.992,99.953 192.003,99.964 REG11.2@192.003,100.734 REG11.1@192.003,101.534 ; REG11.1@192.119,101.477 192.176,101.534 REG4.4@195.653,101.534 REG4.3@195.653,100.734 REG4.2@195.653,99.934 REG4.1@195.653,99.169 ; REG4.1@195.653,99.134 195.653,98.197 196.89,96.959 203.339,96.959 203.826,96.473 206.663,96.473 207.04,96.85 214.035,96.85 214.874,97.689 REG10.4@214.874,99.134 REG10.3@214.874,99.934 REG10.2@214.874,100.734 REG10.1@214.874,101.534 REG3.4@218.281,101.534 REG3.3@218.281,100.734 REG3.2@218.281,99.934 REG3.1@218.281,99.134 218.281,98.302 219.733,96.85 225.897,96.85 226.224,96.524 229.192,96.524 229.519,96.85 235.117,96.85 236.745,98.478 REG9.4@236.745,99.134 REG9.3@236.745,99.934 REG9.2@236.745,100.734 REG9.1@236.745,101.534 ; U8.16@202.493,103.89 202.533,103.929 202.533,104.398 203.041,104.906 ; R4.2@207.105,112.145 207.105,108.843 208.527,107.42 334.192,107.42 335.553,106.06 335.553,104.928 334.602,103.978 U1.24@332.918,103.978 332.918,100.52 332.022,99.625 332.022,97.717 ; U7.16@224.885,103.977 U7.16@224.972,103.89 224.972,104.485 225.393,104.906 ; REG9.1@236.813,101.466 236.88,101.534 REG2.4@240.749,101.534 REG2.3@240.749,100.734 REG2.2@240.749,99.934 REG2.1@240.749,99.202 ; REG2.1@240.749,99.134 240.749,98.567 242.466,96.85 248.376,96.85 248.754,96.473 251.621,96.473 252.107,96.959 257.833,96.959 259.396,98.522 REG8.4@259.396,99.134 REG8.3@259.396,99.934 REG8.2@259.396,100.734 REG8.1@259.396,101.534 263.463,101.534 REG1.4@263.62,101.377 ; U6.16@247.451,103.89 247.364,103.977 247.364,104.398 247.872,104.906 ; REG1.1@263.62,99.191 263.736,99.307 REG1.2@263.736,99.934 REG1.3@263.736,100.734 REG1.4@263.736,101.534 ; REG1.1@263.736,99.134 263.736,98.567 265.453,96.85 270.855,96.85 271.233,96.473 273.856,96.473 274.343,96.959 279.55,96.959 ; REG7.4@281.284,99.261 REG7.4@281.273,99.261 ; REG7.1@281.284,101.661 281.273,101.65 REG7.4@281.273,99.261 ; v1(300.831,96.397) 300.268,96.959 279.55,96.959 ; v1(302.99,96.397) 294.917,104.47 270.511,104.47 U5.16@269.93,103.89 269.246,103.89 268.23,104.906 247.872,104.906 ; U4.5@309.339,99.384 311.311,99.384 C5.2@311.372,99.445 ; v1(310.356,97.794) 310.414,97.735 311.372,98.693 C5.2@311.372,99.429 C4.2@313.388,99.429 ; C4.2@313.404,99.429 314.055,99.429 314.928,98.556 314.928,97.93 ; R6.2@320.135,99.429 320.135,98.81 319.246,97.921 314.937,97.921 314.928,97.93 ; U1.9@326.143,101.203 328.537,101.203 329.978,99.762 330.217,99.523 330.359,99.381 331.184,98.556 ; U1.48@327.418,95.928 327.42,95.93 327.42,96.726 327.896,97.203 ; U1.36@334.193,97.203 332.537,97.203 332.022,97.717 ; 68.04,104.906 90.646,104.906 ; 90.646,104.906 112.998,104.906 ; 112.998,104.906 135.731,104.906 ; 135.731,104.906 158.083,104.906 ; 158.083,104.906 180.943,104.906 ; 180.943,104.906 203.041,104.906 ; 203.041,104.906 225.393,104.906 ; 225.393,104.906 247.872,104.906 ; 279.55,96.959 281.273,98.683 REG7.4@281.273,99.261 ; 314.928,97.93 C6.2@314.928,96.016 C2.2@320.643,96.016 C3.2@322.548,96.016 323.945,96.016 325.132,97.203 U1.1@326.143,97.203 327.896,97.203 ; 327.896,97.203 329.249,98.556 331.184,98.556 ; 331.184,98.556 332.022,97.717
pads on no net: U1.2 U1.3 U1.4 U1.10 U1.11 U1.12 U1.13 U1.14 U1.17 U1.18 U1.19 U1.20 U1.21 U1.22 U1.25 U1.26 U1.27 U1.28 U1.29 U1.38 U1.41 U1.42 U1.43 U1.46 U5.7 U6.7 U7.7 U8.7 U9.7 U10.7 U11.7 U12.7 U13.7 U14.7 U15.7 U15.10 USB.0 USB.A8 USB.B8

## Polygon pours and split planes (outlines as drawn)
GND on Bottom Layer "Bottom Layer-GND" (solid, remove dead copper, pour order 2): 2.413,421.005 2.667,421.005 351.536,421.005 351.536,298.196 351.536,295.279 2.413,295.021
GND on Top Layer "Top Layer-GND" (solid, remove dead copper, pour order 4): 0,283.083 0,158.144 352.425,158.144 352.679,158.398 352.679,284.509 0,284.509

## Keep-outs
Keep-Out Layer:
  lines w1.2: 4.626,123.829 343.267,124.082 ; 4.63,123.829 ccw(c4.63,119.295) 0.095,119.295 0.095,4.83 0.095,4.756 ccw(c4.594,4.756) 4.594,0.258 338.423,0.258 ; 338.169,0.258 343.27,0.258 ccw(c343.27,4.808) 347.821,4.808 347.821,119.536 ; 343.123,124.08 cw(c343.27,119.536) 347.814,119.682

## Silkscreen, mask and mechanical layers (free items; w line width, h text height)
Bottom Solder:
  text "keyboard v1.0 / zhonglihua" at 95.25,5.969 h3.81
Mechanical 1:
  lines w1.2: 4.626,123.829 343.267,124.082 ; 4.63,123.829 ccw(c4.63,119.295) 0.095,119.295 0.095,4.83 0.095,4.756 ccw(c4.594,4.756) 4.594,0.258 338.423,0.258 ; 338.169,0.258 343.27,0.258 ccw(c343.27,4.808) 347.821,4.808 347.821,119.536 ; 343.123,124.08 cw(c343.27,119.536) 347.814,119.682
Mechanical 2:
  drawing of 541 lines, arcs and shapes, not listed